# Altium PCB DAC_Sources.PcbDoc (part 1 of 8) (continued)
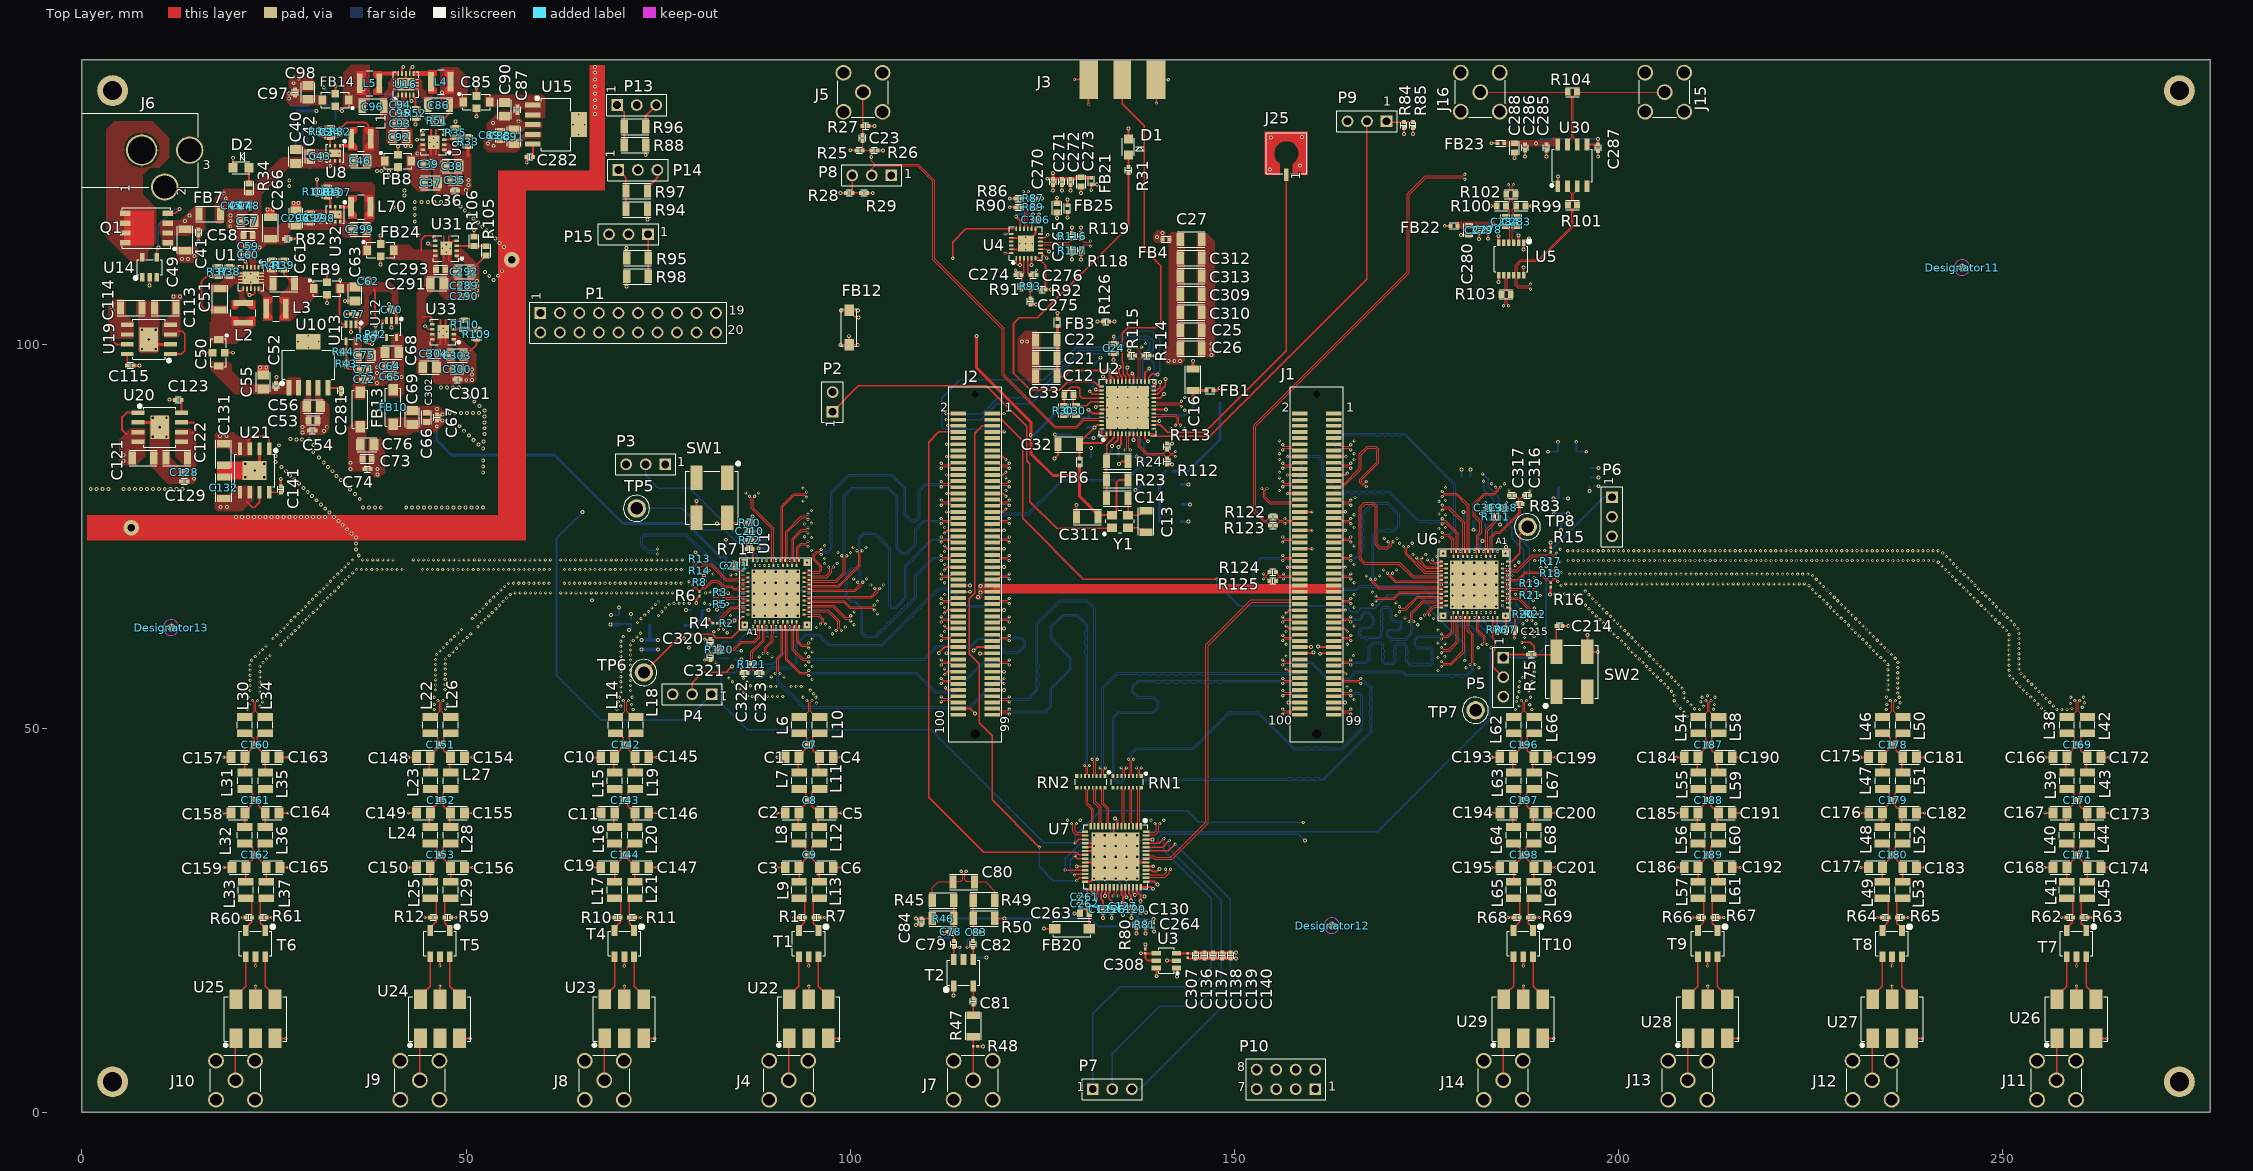
[diagram p0: Top Layer view]
## Components (designator, comment, footprint, x,y, rotation, side; value= is the part's Value field where it differs from the comment)
C1 "600F110JT250XT" C0805 92.447,46.228 r0 top value="11 pF"
C2 "600F120JT250XT" C0805 92.458,38.989 r0 top value="11 pF"
C3 "600F110JT250XT" C0805 92.447,31.877 r0 top value="11 pF"
C4 "600F110JT250XT" C0805 96.892,46.228 r180 top value="11 pF"
C5 "600F120JT250XT" C0805 96.892,38.989 r180 top value="11 pF"
C6 "600F110JT250XT" C0805 96.892,31.877 r180 top value="11 pF"
C7 "GJM1555C1H3R3CB01D" C0402 94.739,47.879 r0 top
C8 "GJM1555C1H3R3CB01D" C0402 94.752,40.64 r0 top
C9 "GJM1555C1H3R3CB01D" C0402 94.739,33.528 r0 top
C10 "600F110JT250XT" C0805 68.447,46.228 r0 top value="11 pF"
C11 "600F120JT250XT" C0805 68.458,38.989 r0 top value="11 pF"
C12 "CL31B103KHFNNNE" C1206 125.51,95.79 r180 top
C13 "C1206C150J5GACTU" C1206 138.51,76.9 r270 top value="15 pF"
C14 "CL31B103KHFNNNE" C1206 134.76,79.93 r180 top
C15 "CL10A475KP8NNNC" C0603 138.99,89.15 r180 bottom
C16 "CL31B103KHFNNNE" C1206 144.62,95.36 r90 top
C17 "CL10A475KP8NNNC" C0603 131.87,90.43 r0 bottom
C18 "CL31B103KHFNNNE" C1206 128.71,89.64 r270 bottom
C19 "600F110JT250XT" C0805 68.447,31.877 r0 top value="11 pF"
C20 "CL10A475KP8NNNC" C0603 133.81,94.89 r270 bottom
C21 "CL31B103KHFNNNE" C1206 125.51,98.16 r180 top
C22 "CL31B103KHFNNNE" C1206 125.52,100.52 r180 top
C23 "C1005X7R1E102K050BA" C0402 101.61,126.83 r90 top
C24 "CL10A475KP8NNNC" C0603 134.3,99.43 r90 top
C25 "CL31B103KHFNNNE" C1206 144.35,101.77 r0 top
C26 "CL31B103KHFNNNE" C1206 144.35,99.4 r0 top
C27 "CL31B103KHFNNNE" C1206 144.35,113.61 r0 top
C28 "CL10A475KP8NNNC" C0603 135.57,85.35 r0 bottom
C29 "CL31B103KHFNNNE" C1206 141.63,79.34 r0 bottom
C30 "CL10A475KP8NNNC" C0603 129.3,91.36 r90 top
C31 "CL10A475KP8NNNC" C0603 130.74,88.4 r270 bottom
C32 "CL31B103KHFNNNE" C1206 128.44,86.92 r180 top
C33 "GCM188R71C274KA37D" C0603 128.46,93.4 r0 top
C34 "C0603C220J5GACTU" C0603 32.3,127.56 r270 top value="22 pF"
C35 "C1608X7R1C105K080AC" C0603 48.56,121.31 r0 top
C36 "C1005X7R1E103K050BB" C0402 48.57,119.97 r180 top
C37 "GRM21BR71A106KE51L" C0805 45.4,121.01 r180 top
C38 "GRM21BR71A106KE51L" C0805 48.18,123.16 r0 top
C39 "C1608X7R1C105K080AC" C0603 45.08,123.44 r180 top
C40 "GRM21BR71A106KE51L" C0805 27.84,124.41 r270 top
C41 "C1005X7R1C104K050BC" C0402 15.21,114.52 r270 top
C42 "C1608X7R1C105K080AC" C0603 29.69,124.42 r270 top
C43 "C1005X7R1C104K050BC" C0402 31.06,124.44 r90 top
C44 "C1005X7R1C104K050BC" C0402 44.67,127.07 r0 bottom
C45 "C1005X5R1C105K050BC" C0402 19.52,118.03 r90 top
C46 "GRM21BR71A106KE51L" C0805 36.24,123.84 r0 top
C47 "C1005X7R1C104K050BC" C0402 20.66,118.03 r270 top
C48 "C1005X7R1E103K050BB" C0402 21.8,118.04 r270 top
C49 "GRM31CR61A476ME15L" C1206 13.41,113.54 r270 top
C50 "NFM31PC276B0J3L" FP-NFM31-0_2-MFG 17.81,98.88 r270 top
C51 "CL31A226MOCLNNC" C1206 17.98,105.83 r90 top
C52 "LMK105BJ225KV-F" C0402 25.295,94.56 r90 top
C53 "C1608X7R1C105K080AC" C0603 30.085,90.08 r0 top
C54 "C1005X7R1E103K050BB" C0402 29.98,88.73 r180 top
C55 "GRM21BR71A106KE51L" C0805 23.61,95.08 r270 top
C56 "GRM21BR71A106KE51L" C0805 30.175,91.86 r0 top
C57 "GRM21BR71A106KE51L" C0805 21.53,115.99 r0 top
C58 "C1608X7R1C105K080AC" C0603 21.63,114.12 r0 top
C59 "C1005X7R1E103K050BB" C0402 21.65,112.77 r180 top
C60 "C1005X7R1C104K050BC" C0402 21.64,111.63 r180 top
C61 "CL31A226MOCLNNC" C1206 26.28,107.8 r180 top
C62 "C1005X7R1E103K050BB" C0402 37.29,108.2 r90 top
C63 "GRM21BR71A106KE51L" C0805 35.56,106.53 r90 top
C64 "C1608X7R1C105K080AC" C0603 40.09,97.09 r0 top
C65 "C1005X7R1E103K050BB" C0402 40.12,95.75 r180 top
C66 "C1608X7R1C105K080AC" C0603 44.85,90.46 r270 top
C67 "C1005X7R1E103K050BB" C0402 46.22,90.45 r90 top
C68 "GRM21BR71A106KE51L" C0805 40.34,98.89 r0 top
C69 "GRM21BR71A106KE51L" C0805 43.01,90.46 r270 top
C70 "LMK105BJ225KV-F" C0402 40.36,104.46 r180 top
C71 "C1608X7R1C105K080AC" C0603 36.76,96.73 r180 top
C72 "C1005X7R1E103K050BB" C0402 36.75,95.4 r0 top
C73 "C1608X7R1C105K080AC" C0603 37.13,85.07 r180 top
C74 "C1005X7R1E103K050BB" C0402 37.17,83.72 r0 top
C75 "GRM21BR71A106KE51L" C0805 36.78,98.53 r180 top
C76 "GRM21BR71A106KE51L" C0805 37.13,86.9 r180 top
C77 "LMK105BJ225KV-F" C0402 35.44,103.91 r180 top
C78 "GRM155R71C104KA88D" C0402 113.09,23.49 r180 top value=0.10μF
C79 "GRM155R71C104KA88D" C0402 113.48,21.91 r270 top value=0.10μF
C80 "C1206C479C5GACTU" C1206 114.78,30 r0 top value="4.7 pF"
C81 "GRM155R71C104KA88D" C0402 116.02,14.46 r270 top value=0.10μF
C82 "GRM155R71C104KA88D" C0402 116.01,21.89 r270 top value=0.10μF
C83 "GRM155R71C104KA88D" C0402 116.41,23.47 r0 top value=0.10μF
C84 "GRM155R71C104KA88D" C0402 109.25,24.82 r270 top value=0.10μF
C85 "NFM31PC276B0J3L" FP-NFM31-0_2-MFG 51.36,131.5 r0 top
C86 "CL31A226MOCLNNC" C1206 46.44,131.07 r180 top
C87 "LMK105BJ225KV-F" C0402 56.71,130.51 r270 top
C88 "C1608X7R1C105K080AC" C0603 54.44,127.14 r270 top
C89 "C1005X7R1E103K050BB" C0402 53.11,127.17 r90 top
C90 "GRM21BR71A106KE51L" C0805 55.03,130.56 r90 top
C91 "GRM21BR71A106KE51L" C0805 56.23,127.01 r270 top
C92 "GRM21BR71A106KE51L" C0805 41.33,126.92 r0 top
C93 "C1608X7R1C105K080AC" C0603 41.41,128.71 r0 top
C94 "C1005X7R1E103K050BB" C0402 41.45,131.18 r180 top
C95 "C1005X7R1C104K050BC" C0402 41.44,130.04 r180 top
C96 "CL31A226MOCLNNC" C1206 37.88,130.9 r0 top
C97 "C1005X7R1E103K050BB" C0402 27.77,132.75 r90 top
C98 "GRM21BR71A106KE51L" C0805 29.44,132.76 r270 top
C99 "C1608X7R1C105K080AC" C0603 32.785,126.055 r0 bottom
C100 "C1005X7R1E103K050BB" C0402 34.86,127.73 r270 bottom
C101 "C1608X7R1C105K080AC" C0603 39.38,124.86 r0 bottom
C102 "C1005X7R1E103K050BB" C0402 39.34,123.45 r180 bottom
C103 "GRM21BR71A106KE51L" C0805 32.43,127.91 r0 bottom
C104 "GRM21BR71A106KE51L" C0805 39.2,126.72 r0 bottom
C105 "LMK105BJ225KV-F" C0402 28.01,130.01 r90 bottom
C106 "C1608X7R1C105K080AC" C0603 28.64,120.98 r0 bottom
C107 "C1005X7R1E103K050BB" C0402 28.64,119.64 r180 bottom
C108 "C1608X7R1C105K080AC" C0603 39.56,119.31 r90 bottom
C109 "C1005X7R1E103K050BB" C0402 40.95,119.25 r270 bottom
C110 "GRM21BR71A106KE51L" C0805 28.7,122.79 r0 bottom
C111 "GRM21BR71A106KE51L" C0805 37.75,119.31 r90 bottom
C112 "LMK105BJ225KV-F" C0402 28.43,128.36 r0 bottom
C113 "CL31B475KPHNNNE" C1206 10.86,104.7 r180 top
C114 "CL31B475KPHNNNE" C1206 6.42,104.7 r0 top
C115 "C1005X7R1E103K050BB" C0402 6.31,97.23 r0 top
C116 "C1005X7R1C104K050BC" C0402 138.46,30.51 r90 bottom
C117 "C1005X7R1C104K050BC" C0402 138.07,28.94 r180 bottom
C118 "C1005X7R1C104K050BC" C0402 133.67,29.21 r90 bottom
C119 "C1005X7R1C104K050BC" C0402 135.29,29.32 r90 bottom
C120 "C1005X7R1C104K050BC" C0402 136.63,26.43 r270 top
C121 "CL31B475KPHNNNE" C1206 7.96,85.2 r0 top
C122 "CL31B475KPHNNNE" C1206 12.35,85.2 r180 top
C123 "C1005X7R1E103K050BB" C0402 12.54,92.75 r180 top
C124 "C1005X7R1C104K050BC" C0402 130.92,29.36 r180 bottom
C125 "C1005X7R1C104K050BC" C0402 132.91,26.43 r270 top
C126 "C1005X7R1C104K050BC" C0402 134.04,26.44 r270 top
C127 "C1005X7R1C104K050BC" C0402 135.49,26.84 r270 top
C128 "C1005X7R1C104K050BC" C0402 13.32,83.3 r180 top
C129 "C1005X7R1C104K050BC" C0402 13.33,82.15 r180 top
C130 "C1005X7R1C104K050BC" C0402 137.78,26.43 r270 top
C131 "CL31B475KPHNNNE" C1206 18.46,85.65 r270 top
C132 "CL31B475KPHNNNE" C1206 18.47,81.3 r90 top
C133 "C1005X7R1C104K050BC" C0402 134.33,37.21 r180 bottom
C134 "C1005X7R1C104K050BC" C0402 130.75,32.51 r90 bottom
C135 "C1005X7R1C104K050BC" C0402 138.44,32.45 r90 bottom
C136 "C1005X7R1C104K050BC" C0402 144.968,20.433 r270 top
C137 "C1005X7R1C104K050BC" C0402 146.11,20.433 r270 top
C138 "C1005X7R1C104K050BC" C0402 147.25,20.433 r270 top
C139 "C1005X7R1C104K050BC" C0402 148.39,20.433 r270 top
C140 "C1005X7R1C104K050BC" C0402 149.52,20.433 r270 top
C141 "C1005X7R1E103K050BB" C0402 25.89,81.1 r90 top
C142 "GJM1555C1H3R3CB01D" C0402 70.844,47.879 r0 top
C143 "GJM1555C1H3R3CB01D" C0402 70.752,40.64 r0 top
C144 "GJM1555C1H3R3CB01D" C0402 70.736,33.528 r0 top
C145 "600F110JT250XT" C0805 72.892,46.228 r180 top value="11 pF"
C146 "600F120JT250XT" C0805 72.892,38.989 r180 top value="11 pF"
C147 "600F110JT250XT" C0805 72.892,31.877 r180 top value="11 pF"
C148 "600F110JT250XT" C0805 44.447,46.228 r0 top value="11 pF"
C149 "600F120JT250XT" C0805 44.458,38.989 r0 top value="11 pF"
C150 "600F110JT250XT" C0805 44.447,31.877 r0 top value="11 pF"
C151 "GJM1555C1H3R3CB01D" C0402 46.733,47.879 r0 top
C152 "GJM1555C1H3R3CB01D" C0402 46.752,40.64 r0 top
C153 "GJM1555C1H3R3CB01D" C0402 46.733,33.528 r0 top
C154 "600F110JT250XT" C0805 48.892,46.228 r180 top value="11 pF"
C155 "600F120JT250XT" C0805 48.892,38.989 r180 top value="11 pF"
C156 "600F110JT250XT" C0805 48.892,31.877 r180 top value="11 pF"
C157 "600F110JT250XT" C0805 20.32,46.228 r0 top value="11 pF"
C158 "600F120JT250XT" C0805 20.331,38.989 r0 top value="11 pF"
C159 "600F110JT250XT" C0805 20.447,31.877 r0 top value="11 pF"
C160 "GJM1555C1H3R3CB01D" C0402 22.615,47.879 r0 top
C161 "GJM1555C1H3R3CB01D" C0402 22.625,40.64 r0 top
C162 "GJM1555C1H3R3CB01D" C0402 22.615,33.528 r0 top
C163 "600F110JT250XT" C0805 24.765,46.228 r180 top value="11 pF"
C164 "600F120JT250XT" C0805 24.765,38.989 r180 top value="11 pF"
C165 "600F110JT250XT" C0805 24.892,31.877 r180 top value="11 pF"
C166 "600F110JT250XT" C0805 257.447,46.228 r0 top value="11 pF"
C167 "600F120JT250XT" C0805 257.458,38.989 r0 top value="11 pF"
C168 "600F110JT250XT" C0805 257.447,31.877 r0 top value="11 pF"
C169 "GJM1555C1H3R3CB01D" C0402 259.739,47.879 r0 top
C170 "GJM1555C1H3R3CB01D" C0402 259.752,40.64 r0 top
C171 "GJM1555C1H3R3CB01D" C0402 259.739,33.528 r0 top
C172 "600F110JT250XT" C0805 261.892,46.228 r180 top value="11 pF"
C173 "600F120JT250XT" C0805 261.892,38.989 r180 top value="11 pF"
C174 "600F110JT250XT" C0805 261.892,31.877 r180 top value="11 pF"
C175 "600F110JT250XT" C0805 233.447,46.228 r0 top value="11 pF"
C176 "600F120JT250XT" C0805 233.458,38.989 r0 top value="11 pF"
C177 "600F110JT250XT" C0805 233.447,31.877 r0 top value="11 pF"
C178 "GJM1555C1H3R3CB01D" C0402 235.739,47.879 r0 top
C179 "GJM1555C1H3R3CB01D" C0402 235.752,40.64 r0 top
C180 "GJM1555C1H3R3CB01D" C0402 235.739,33.528 r0 top
C181 "600F110JT250XT" C0805 237.892,46.228 r180 top value="11 pF"
C182 "600F120JT250XT" C0805 237.892,38.989 r180 top value="11 pF"
C183 "600F110JT250XT" C0805 237.892,31.877 r180 top value="11 pF"
C184 "600F110JT250XT" C0805 209.447,46.228 r0 top value="11 pF"
C185 "600F120JT250XT" C0805 209.458,38.989 r0 top value="11 pF"
C186 "600F110JT250XT" C0805 209.447,31.877 r0 top value="11 pF"
C187 "GJM1555C1H3R3CB01D" C0402 211.739,47.879 r0 top
C188 "GJM1555C1H3R3CB01D" C0402 211.752,40.64 r0 top
C189 "GJM1555C1H3R3CB01D" C0402 211.739,33.528 r0 top
C190 "600F110JT250XT" C0805 213.892,46.228 r180 top value="11 pF"
C191 "600F120JT250XT" C0805 213.892,38.989 r180 top value="11 pF"
C192 "600F110JT250XT" C0805 213.892,31.877 r180 top value="11 pF"
C193 "600F110JT250XT" C0805 185.447,46.228 r0 top value="11 pF"
C194 "600F120JT250XT" C0805 185.458,38.989 r0 top value="11 pF"
C195 "600F110JT250XT" C0805 185.447,31.877 r0 top value="11 pF"
C196 "GJM1555C1H3R3CB01D" C0402 187.739,47.879 r0 top
C197 "GJM1555C1H3R3CB01D" C0402 187.752,40.64 r0 top
C198 "GJM1555C1H3R3CB01D" C0402 187.739,33.528 r0 top
C199 "600F110JT250XT" C0805 189.892,46.228 r180 top value="11 pF"
C200 "600F120JT250XT" C0805 189.892,38.989 r180 top value="11 pF"
C201 "600F110JT250XT" C0805 189.892,31.877 r180 top value="11 pF"
C202 "LMK063BJ224MP-F" C0201 90.99,70.5 r270 bottom
C203 "LMK063BJ224MP-F" C0201 94.03,68.08 r180 bottom
C204 "LMK063BJ224MP-F" C0201 91.01,64.45 r90 bottom
C205 "LMK107BJ106MALTD" C0603 73.9,60.87 r270 bottom
C206 "LMK063BJ224MP-F" C0201 180.55,71.68 r270 bottom
C207 "LMK063BJ224MP-F" C0201 196.48,81.5 r0 bottom
C208 "LMK063BJ224MP-F" C0201 177.21,68.7 r0 bottom
C209 "LMK107BJ106MALTD" C0603 196.46,83.27 r90 bottom
C210 "C1005X7R1E102K050BA" C0402 86.91,75.63 r0 top
C211 "C1005X7R1C104K050BC" C0402 84.89,71.17 r90 top
C212 "C1005X7R1C104K050BC" C0402 84.6,58.96 r0 bottom
C213 "C1005X7R1E102K050BA" C0402 84.59,60.09 r0 bottom
C214 "C1005X7R1E102K050BA" C0402 192.31,63.31 r0 top
C215 "C1005X7R1C104K050BC" C0402 186.47,62.81 r270 top
C216 "C1005X7R1C104K050BC" C0402 182.62,76.91 r90 bottom
C217 "C1005X7R1E102K050BA" C0402 183.73,76.91 r90 bottom
C218 "LMK063BJ104KP-F" C0201 88.14,64.29 r90 bottom
C219 "LMK063BJ224MP-F" C0201 79,61.41 r270 bottom
C220 "LMK063BJ224MP-F" C0201 86.68,70.49 r90 bottom
C221 "LMK063BJ224MP-F" C0201 86.97,68.26 r0 bottom
C222 "LMK063BJ224MP-F" C0201 86.35,69.31 r0 bottom
C223 "LMK063BJ224MP-F" C0201 87,66.83 r0 bottom
C224 "LMK063BJ224MP-F" C0201 85.15,66.32 r180 bottom
C225 "LMK063BJ224MP-F" C0201 86.88,65.4 r0 bottom
C226 "LMK107BJ106MALTD" C0603 80.11,65.36 r180 bottom
C227 "LMK063BJ224MP-F" C0201 89.95,71.31 r270 bottom
C228 "LMK063BJ224MP-F" C0201 92.4,71.1 r270 bottom
C229 "LMK063BJ224MP-F" C0201 90.33,62.14 r270 bottom
C230 "LMK063BJ224MP-F" C0201 93.1,63.28 r0 bottom
C231 "LMK107BJ106MALTD" C0603 89.1,73.91 r90 bottom
C232 "LMK063BJ224MP-F" C0201 85.41,64.81 r270 bottom
C233 "LMK063BJ224MP-F" C0201 85.02,67.23 r180 bottom
C234 "LMK063BJ224MP-F" C0201 85.74,70.53 r90 bottom
C235 "LMK107BJ106MALTD" C0603 83.84,72.9 r90 bottom
C236 "LMK063BJ224MP-F" C0201 89.25,62.14 r270 bottom
C237 "LMK063BJ224MP-F" C0201 71.46,63.85 r90 bottom
C238 "LMK107BJ106MALTD" C0603 69.89,64.11 r90 bottom
C239 "LMK063BJ104KP-F" C0201 183.65,72.35 r180 bottom
C240 "LMK063BJ224MP-F" C0201 192.48,79.89 r0 bottom
C241 "LMK063BJ224MP-F" C0201 184.43,70.79 r180 bottom
C242 "LMK063BJ224MP-F" C0201 184.52,69.39 r180 bottom
C243 "LMK063BJ224MP-F" C0201 185.91,69.9 r0 bottom
C244 "LMK063BJ224MP-F" C0201 184.68,67.96 r180 bottom
C245 "LMK063BJ224MP-F" C0201 184.74,66.6 r180 bottom
C246 "LMK063BJ224MP-F" C0201 185.6,65.4 r0 bottom
C247 "LMK107BJ106MALTD" C0603 185.35,75.13 r90 bottom
C248 "LMK063BJ224MP-F" C0201 179.11,65.17 r90 bottom
C249 "LMK063BJ224MP-F" C0201 181.65,64.95 r90 bottom
C250 "LMK063BJ224MP-F" C0201 179.43,72.72 r270 bottom
C251 "LMK063BJ224MP-F" C0201 181.23,73.28 r90 bottom
C252 "LMK107BJ106MALTD" C0603 180.14,82.74 r180 bottom
C253 "LMK063BJ224MP-F" C0201 185.61,71.37 r90 bottom
C254 "LMK063BJ224MP-F" C0201 186.24,68.7 r0 bottom
C255 "LMK063BJ224MP-F" C0201 186.38,66.38 r0 bottom
C256 "LMK107BJ106MALTD" C0603 192.5,77.35 r90 bottom
C257 "LMK063BJ224MP-F" C0201 181.69,75.38 r270 bottom
C258 "LMK063BJ224MP-F" C0201 182.33,73.53 r180 bottom
C259 "LMK107BJ106MALTD" C0603 180.51,76.96 r180 bottom
C260 "LMK063BJ224MP-F" C0201 136.47,29.19 r90 bottom
C261 "LMK063BJ224MP-F" C0201 130.52,28.1 r180 top
C262 "LMK063BJ224MP-F" C0201 130.52,27.17 r180 top
C263 "LMK107BJ106MALTD" C0603 130.52,25.91 r180 top
C264 "LMK063BJ224MP-F" C0201 139.5,24.37 r270 top
C265 "CGB3B1X5R1A475K055AC" C0603 126.91,117.72 r90 top
C266 "CL31B475KPHNNNE" C1206 24.56,115.13 r90 top
C267 "GRM21BR61A106KE19L" C0805 132.27,85.28 r0 bottom
C268 "GRM21BR61A106KE19L" C0805 131.59,96.46 r270 bottom
C269 "GRM155R61A105KE15D" C0402 133.41,89 r0 bottom value=1uF
C270 "C1005X7R1E103K050BB" C0402 126.405,121.12 r270 top
C271 "C1005X7R1E103K050BB" C0402 127.545,121.12 r270 top
C272 "C1005X7R1E103K050BB" C0402 128.685,121.12 r270 top
C273 "CGB3B1X5R1A475K055AC" C0603 130.055,121.13 r270 top
C274 "C1005X7R1E103K050BB" C0402 121.9,109 r0 top
C275 "C1005X7R1E103K050BB" C0402 123.44,105.55 r90 top
C276 "C1005X7R1E103K050BB" C0402 123.84,109 r180 top
C277 "C1005X7R1E103K050BB" C0402 187.36,113.18 r0 bottom
C278 "C1005X7R1E103K050BB" C0402 183,114.87 r270 top
C279 "C1005X7R1E103K050BB" C0402 181.85,114.85 r270 top
C280 "CGB3B1X5R1A475K055AC" C0603 180.45,114.82 r270 top
C281 "C1005X7R1E103K050BB" C0402 33.7,93.91 r270 top
C282 "C1005X7R1E103K050BB" C0402 58.3,124.37 r180 top
C283 "CC0603KRX7R9BB103" C0603 186.78,115.94 r270 top value="10 nF"
C284 "CC0603KRX7R9BB103" C0603 185.26,115.94 r270 top value="10 nF"
C285 "C1005X7R1E103K050BB" C0402 190.61,125.58 r270 top
C286 "C1005X7R1E103K050BB" C0402 187.82,125.57 r270 top
C287 "C1005X7R1E103K050BB" C0402 197.35,125.56 r270 top
C288 "CGB3B1X5R1A475K055AC" C0603 186.47,125.55 r270 top
C289 "C1608X7R1C105K080AC" C0603 49.78,107.61 r0 top
C290 "C1005X7R1E103K050BB" C0402 49.78,106.25 r180 top
C291 "GRM21BR71A106KE51L" C0805 46.24,107.85 r180 top
C292 "GRM21BR71A106KE51L" C0805 49.8,109.42 r0 top
C293 "C1608X7R1C105K080AC" C0603 46.7,109.68 r180 top
C294 "C1005X7R1C104K050BC" C0402 46.2,113.55 r0 bottom
C295 "C0603C220J5GACTU" C0603 31.91,119.8 r270 top value="22 pF"
C296 "GRM21BR71A106KE51L" C0805 27.86,116.41 r270 top
C297 "C1608X7R1C105K080AC" C0603 29.7,116.42 r270 top
C298 "C1005X7R1C104K050BC" C0402 31.08,116.35 r90 top
C299 "GRM21BR71A106KE51L" C0805 36.19,114.95 r0 top
C300 "C1608X7R1C105K080AC" C0603 48.85,96.72 r0 top
C301 "C1005X7R1E103K050BB" C0402 48.88,95.37 r180 top
C302 "GRM21BR71A106KE51L" C0805 45.27,96.95 r180 top
C303 "GRM21BR71A106KE51L" C0805 48.86,98.51 r0 top
C304 "C1608X7R1C105K080AC" C0603 45.77,98.76 r180 top
C305 "C1005X7R1C104K050BC" C0402 45.85,102.3 r0 bottom
C306 "C1005X7R1E103K050BB" C0402 124.17,116.17 r0 top
C307 "LMK063BJ104KP-F" C0201 143.91,20.43 r270 top
C308 "LMK063BJ104KP-F" C0201 138.43,21 r90 top
C309 "CL31B103KHFNNNE" C1206 144.35,106.49 r0 top
C310 "CL31B103KHFNNNE" C1206 144.35,104.13 r0 top
C311 "CL31B103KHFNNNE" C1206 130.85,77.5 r180 top
C312 "CL31B103KHFNNNE" C1206 144.35,111.23 r0 top
C313 "CL31B103KHFNNNE" C1206 144.35,108.86 r0 top
C314 "CL31B103KHFNNNE" C1206 141.63,76.94 r0 bottom
C315 "CL31B103KHFNNNE" C1206 141.63,81.74 r0 bottom
C316 "C1005X7R1E103K050BB" C0402 188.08,80.32 r0 top
C317 "C1005X7R1E103K050BB" C0402 186.14,80.32 r180 top
C318 "C1005X7R1E103K050BB" C0402 184.995,78.68 r0 top
C319 "C1005X7R1E103K050BB" C0402 183.065,78.68 r180 top
C320 "C1005X7R1E103K050BB" C0402 81.79,61.21 r90 top
C321 "C1005X7R1E103K050BB" C0402 81.79,59.27 r270 top
C322 "C1005X7R1E103K050BB" C0402 86.235,57.17 r180 top
C323 "C1005X7R1E103K050BB" C0402 88.165,57.17 r0 top
D1 "LTST-C170GKT" FP-LTST-C170GKT-MFG 136.21,125.66 r270 top
D2 "LTST-C170TBKT" FP-LTST-C170TBKT-MFG 20.71,122.96 r0 top
Designator11 "Comment" FID40C80 244.73,109.96 r0 top
Designator12 "Comment" FID40C80 162.71,24.32 r0 top
Designator13 "Comment" FID40C80 11.65,63.11 r0 top
Designator14 "Comment" FID40C80 13.71,43.12 r180 bottom
Designator15 "Comment" FID40C80 217.14,81.72 r180 bottom
Designator16 "Comment" FID40C80 266.66,18.97 r180 bottom
FB1 "BLM15PD121SN1D" BLM15 146.84,93.95 r180 top
FB2 "BLM15PD121SN1D" BLM15 126.6,91.35 r90 bottom
FB3 "BLM15PD121SN1D" BLM15 126.97,102.83 r270 top
FB4 "BLM15PD121SN1D" BLM15 141.1,113.63 r0 top
FB5 "BLM15PD121SN1D" BLM15 141.57,83.48 r180 bottom
FB6 "BLM15PD121SN1D" BLM15 129.84,84.65 r90 top
FB7 "FBMJ3216HM600-T" BEADC3216X130N 16.66,116.93 r0 top
FB8 "NFM31PC276B0J3L" FP-NFM31-0_2-MFG 41.15,123.84 r0 top
FB9 "NFM31PC276B0J3L" FP-NFM31-0_2-MFG 31.91,107.24 r0 top
FB10 "BLM41PG102SN1L" BLM41 40.52,91.8 r270 top
FB11 "BLM18HE152SN1D" BLM18 80.23,62.99 r270 bottom
FB12 "BLM41PG102SN1L" BLM41 99.87,102.16 r270 top
FB13 "BLM41PG102SN1L" BLM41 36.23,91.51 r270 top
FB14 "NFM31PC276B0J3L" FP-NFM31-0_2-MFG 33,131.77 r180 top
FB15 "BLM41PG102SN1L" BLM41 38.52,130.41 r0 bottom
FB16 "BLM41PG102SN1L" BLM41 33.31,120.32 r0 bottom
FB17 "BLM41PG102SN1L" BLM41 76.16,63.39 r180 bottom
FB18 "BLM18HE152SN1D" BLM41 192.11,83.74 r270 bottom
FB19 "BLM41PG102SN1L" BLM41 194.5,83.74 r270 bottom
FB20 "BLM41PG102SN1L" BLM41 128.86,23.91 r0 top
FB21 "BLM15PD121SN1D" BLM15 131.375,121.21 r90 top
FB22 "BLM15PD121SN1D" BLM15 178.59,115.39 r0 top
FB23 "BLM15PD121SN1D" BLM15 184.68,126.15 r0 top
FB24 "NFM31PC276B0J3L" FP-NFM31-0_2-MFG 38.89,112.23 r0 top
FB25 "BLM15PD121SN1D" BLM15 128.27,117.63 r270 top
J1 "61083-104400LF" AMPHENOL_61083-104400LF 160.725,71.367 r270 top
J2 "61083-104400LF" AMPHENOL_61083-104400LF 116.275,71.367 r270 top
J3 "142-0701-801" FP-142-0701-801-MFG 135.418,134.61 r0 top
J4 "731000114" MOLX-731000114_V 92,4.191 r180 top
J5 "731000114" MOLX-731000114_V 101.67,132.774 r0 top
J6 "RAPC722X" SWITCH-RAPC712X-3_V 7.536,125.25 r90 top
J7 "731000114" MOLX-731000114_V 116,4.191 r180 top
J8 "731000114" MOLX-731000114_V 68,4.191 r180 top
J9 "731000114" MOLX-731000114_V 44,4.191 r180 top
J10 "731000114" MOLX-731000114_V 20,4.191 r180 top
J11 "731000114" MOLX-731000114_V 257,4.191 r180 top
J12 "731000114" MOLX-731000114_V 233,4.191 r180 top
J13 "731000114" MOLX-731000114_V 209,4.191 r180 top
J14 "731000114" MOLX-731000114_V 185,4.191 r180 top
J15 "731000114" MOLX-731000114_V 206,132.797 r0 top
J16 "731000114" MOLX-731000114_V 182,132.797 r0 top
J25 "85305-0232" FP-85305-0232-MFG 156.77,124.83 r0 top
L1 "LPS3015-222MR" lps3015 36.33,126.72 r0 top
L2 "LPS3015-222MR" lps3015 21.03,104.06 r270 top
L3 "LPS3015-222MR" lps3015 25.27,104.61 r0 top
L4 "LPS3015-222MR" lps3015 46.73,134.12 r0 top
L5 "LPS3015-222MR" lps3015 37.44,133.97 r180 top
L6 "0805HQ-16NXGLC" 0805HP 93.367,50.419 r180 top value=16nH
L7 "0805HP-33NXGRC" 0805HP 93.361,43.18 r180 top value=33nH
L8 "0805HP-33NXGRC" 0805HP 93.336,36.068 r180 top value=33nH
L9 "0805HQ-16NXGLC" 0805HP 93.336,28.956 r180 top value=16nH
L10 "0805HQ-16NXGLC" 0805HP 96.034,50.419 r0 top value=16nH
L11 "0805HP-33NXGRC" 0805HP 96.028,43.18 r0 top value=33nH
L12 "0805HP-33NXGRC" 0805HP 96.003,36.068 r0 top value=33nH
L13 "0805HQ-16NXGLC" 0805HP 96.003,28.956 r0 top value=16nH
L14 "0805HQ-16NXGLC" 0805HP 69.463,50.419 r180 top value=16nH
L15 "0805HP-33NXGRC" 0805HP 69.361,43.18 r180 top value=33nH
L16 "0805HP-33NXGRC" 0805HP 69.336,36.068 r180 top value=33nH
L17 "0805HQ-16NXGLC" 0805HP 69.336,28.956 r180 top value=16nH
L18 "0805HQ-16NXGLC" 0805HP 72.13,50.419 r0 top value=16nH
L19 "0805HP-33NXGRC" 0805HP 72.028,43.18 r0 top value=33nH
L20 "0805HP-33NXGRC" 0805HP 72.003,36.068 r0 top value=33nH
L21 "0805HQ-16NXGLC" 0805HP 72.003,28.956 r0 top value=16nH
L22 "0805HQ-16NXGLC" 0805HP 45.336,50.419 r180 top value=16nH
L23 "0805HP-33NXGRC" 0805HP 45.361,43.18 r180 top value=33nH
L24 "0805HP-33NXGRC" 0805HP 45.336,36.068 r180 top value=33nH
L25 "0805HQ-16NXGLC" 0805HP 45.336,28.956 r180 top value=16nH
L26 "0805HQ-16NXGLC" 0805HP 48.003,50.419 r0 top value=16nH
L27 "0805HP-33NXGRC" 0805HP 48.028,43.18 r0 top value=33nH
L28 "0805HP-33NXGRC" 0805HP 48.003,36.068 r0 top value=33nH
L29 "0805HQ-16NXGLC" 0805HP 48.003,28.956 r0 top value=16nH
L30 "0805HQ-16NXGLC" 0805HP 21.209,50.419 r180 top value=16nH
L31 "0805HP-33NXGRC" 0805HP 21.234,43.18 r180 top value=33nH
L32 "0805HP-33NXGRC" 0805HP 21.209,36.068 r180 top value=33nH
L33 "0805HQ-16NXGLC" 0805HP 21.336,28.956 r180 top value=16nH
L34 "0805HQ-16NXGLC" 0805HP 23.876,50.419 r0 top value=16nH
L35 "0805HP-33NXGRC" 0805HP 23.901,43.18 r0 top value=33nH
L36 "0805HP-33NXGRC" 0805HP 23.876,36.068 r0 top value=33nH
L37 "0805HQ-16NXGLC" 0805HP 24.003,28.956 r0 top value=16nH
L38 "0805HQ-16NXGLC" 0805HP 258.367,50.419 r180 top value=16nH
L39 "0805HP-33NXGRC" 0805HP 258.361,43.18 r180 top value=33nH
L40 "0805HP-33NXGRC" 0805HP 258.336,36.068 r180 top value=33nH
L41 "0805HQ-16NXGLC" 0805HP 258.336,28.956 r180 top value=16nH
L42 "0805HQ-16NXGLC" 0805HP 261.034,50.419 r0 top value=16nH
L43 "0805HP-33NXGRC" 0805HP 261.028,43.18 r0 top value=33nH
L44 "0805HP-33NXGRC" 0805HP 261.003,36.068 r0 top value=33nH
L45 "0805HQ-16NXGLC" 0805HP 261.003,28.956 r0 top value=16nH
L46 "0805HQ-16NXGLC" 0805HP 234.367,50.419 r180 top value=16nH
L47 "0805HP-33NXGRC" 0805HP 234.361,43.18 r180 top value=33nH
L48 "0805HP-33NXGRC" 0805HP 234.336,36.068 r180 top value=33nH
L49 "0805HQ-16NXGLC" 0805HP 234.336,28.956 r180 top value=16nH
L50 "0805HQ-16NXGLC" 0805HP 237.034,50.419 r0 top value=16nH
L51 "0805HP-33NXGRC" 0805HP 237.028,43.18 r0 top value=33nH
L52 "0805HP-33NXGRC" 0805HP 237.003,36.068 r0 top value=33nH
L53 "0805HQ-16NXGLC" 0805HP 237.003,28.956 r0 top value=16nH
L54 "0805HQ-16NXGLC" 0805HP 210.367,50.419 r180 top value=16nH
L55 "0805HP-33NXGRC" 0805HP 210.361,43.18 r180 top value=33nH
L56 "0805HP-33NXGRC" 0805HP 210.336,36.068 r180 top value=33nH
L57 "0805HQ-16NXGLC" 0805HP 210.336,28.956 r180 top value=16nH
L58 "0805HQ-16NXGLC" 0805HP 213.034,50.419 r0 top value=16nH
L59 "0805HP-33NXGRC" 0805HP 213.028,43.18 r0 top value=33nH
L60 "0805HP-33NXGRC" 0805HP 213.003,36.068 r0 top value=33nH
L61 "0805HQ-16NXGLC" 0805HP 213.003,28.956 r0 top value=16nH
L62 "0805HQ-16NXGLC" 0805HP 186.367,50.419 r180 top value=16nH
L63 "0805HP-33NXGRC" 0805HP 186.361,43.18 r180 top value=33nH
L64 "0805HP-33NXGRC" 0805HP 186.336,36.068 r180 top value=33nH
L65 "0805HQ-16NXGLC" 0805HP 186.336,28.956 r180 top value=16nH
L66 "0805HQ-16NXGLC" 0805HP 189.034,50.419 r0 top value=16nH
L67 "0805HP-33NXGRC" 0805HP 189.028,43.18 r0 top value=33nH
L68 "0805HP-33NXGRC" 0805HP 189.003,36.068 r0 top value=33nH
L69 "0805HQ-16NXGLC" 0805HP 189.003,28.956 r0 top value=16nH
L70 "LPS3015-222MR" lps3015 36.31,117.85 r0 top
P1 "Header 10X2" HEADER_10X2 59.68,104.05 r0 top
P2 "Header 2" HEADER_2X1 97.71,91.21 r90 top
P3 "Header 3" HEADER_3X1 75.92,84.35 r180 top
P4 "Header 3" HEADER_3X1 81.97,54.43 r180 top
P5 "Header 3" HEADER_3X1 185.01,59.2 r270 top
P6 "Header 3" HEADER_3X1 199.15,80.08 r270 top
P7 "Header 3" HEADER_3X1 131.58,3.04 r0 top
P8 "Header 3" HEADER_3X1 105.35,121.96 r180 top
P9 "Header 3" HEADER_3X1 169.8,129.01 r180 top
P10 "Header 4X2" HEADER_4X2 160.52,3.04 r180 top
P13 "Header 3" HEADER_3X1 69.67,131.11 r0 top
P14 "Header 3" HEADER_3X1 69.83,122.67 r0 top
P15 "Header 3" HEADER_3X1 73.69,114.29 r180 top
Q1 "CSD18532Q5BT" FP-DNK0008A-MFG 8.39,115.11 r0 top
R1 "RMCF0402FT100R" R0402 93.717,25.4 r0 top
R2 "CRCW020149R9FKED" R0201 83.93,63.68 r180 top
R3 "CRCW020149R9FKED" R0201 83.06,67.678 r270 top
R4 "CRCW020149R9FKED" R0201 82.41,63.68 r0 top
R5 "CRCW020149R9FKED" R0201 83.06,66.158 r90 top
R6 "CRCW020149R9FKED" R0201 80.39,67.49 r90 top
R7 "RMCF0402FT100R" R0402 95.622,25.4 r0 top
R8 "CRCW020149R9FKED" R0201 80.39,69.01 r270 top
R9 "ERJ2RKF1002X" R0402 132.45,29.45 r90 bottom
R10 "RMCF0402FT100R" R0402 69.717,25.4 r0 top
R11 "RMCF0402FT100R" R0402 71.622,25.4 r0 top
R12 "RMCF0402FT100R" R0402 45.717,25.4 r0 top
R13 "CRCW020149R9FKED" R0201 80.39,72.05 r270 top
R14 "CRCW020149R9FKED" R0201 80.39,70.53 r90 top
R15 "CRCW020149R9FKED" R0201 191.17,73.232 r270 top
R16 "CRCW020149R9FKED" R0201 191.17,68.672 r90 top
R17 "CRCW020149R9FKED" R0201 191.17,71.712 r90 top
R18 "CRCW020149R9FKED" R0201 191.17,70.192 r270 top
R19 "CRCW020149R9FKED" R0201 188.5,68.86 r270 top
R20 "CRCW020149R9FKED" R0201 187.63,64.862 r0 top
R21 "CRCW020149R9FKED" R0201 188.5,67.34 r90 top
R22 "CRCW020149R9FKED" R0201 189.15,64.862 r180 top
R23 "RNCP1206FTD10K0" R1206 134.75,82.32 r0 top
R24 "RNCP1206FTD10K0" R1206 134.77,84.71 r180 top
R25 "ERJ-2RKF82R5X" R0402 101.2,125.23 r180 top
R26 "ERJ-2RKF1300X" R0402 103.15,125.21 r180 top
R27 "ERJ-2RKF49R9X" R0402 102.01,128.39 r180 top
R28 "ERJ-2RKF82R5X" R0402 99.87,119.69 r180 top
R29 "ERJ-2RKF1300X" R0402 101.8,119.69 r180 top
R30 "RC0603FR-071KL" R0603 127.75,91.36 r270 top
R31 "CRCW0402301RFKED" R0402 136.22,122.65 r90 top
R32 "750K 5% 0402(1005)" R0402 33.65,127.66 r90 top value="750000.00 Ohm"
R33 "ERJ-3EKF3092V" R0603 50.27,126.34 r270 top
R34 "ERJ3EKF1002V" R0603 21.78,120.31 r270 top
R35 "ERJ3EKF1002V" R0603 48.65,127.54 r270 top
R36 "RC0402FR-07150KL" R0402 30.97,127.66 r270 top
R37 "CRCW0603750KFKEA" R0603 17.72,109.43 r270 top
R38 "RC0603FR-07150KL" R0603 19.24,109.43 r90 top
R39 "CRCW0603191KFKEA" R0603 26.3,110.28 r270 top
R40 "ERJ-2RKF1743X" R0402 37.08,100.76 r270 top
R41 "ERJ-3EKF1823V" R0603 24.77,110.29 r90 top
R42 "ERJ2RKF3303X" R0402 38.23,101.26 r270 top
R43 "ERJ-2RKF1743X" R0402 34.42,97.46 r270 top
R44 "ERJ2RKF3303X" R0402 34.04,99.02 r0 top
R45 "RMCF1206ZT0R00" R1206 112.09,27.59 r180 top
R46 "RMCF1206JT33R0" R1206 112.09,25.23 r0 top
R47 "RMCF1206ZT0R00" R1206 116.02,11.27 r90 top
R48 "CRCW020149R9FKED" R0201 116.3,8.6 r180 top
R49 "RMCF1206ZT0R00" R1206 117.43,27.62 r0 top
R50 "RMCF1206JT33R0" R1206 117.43,25.26 r180 top
R51 "CRCW0603750KFKEA" R0603 46.28,129.09 r0 top
R52 "RC0603FR-07150KL" R0603 43.44,130.02 r90 top
R53 "CRCW0603191KFKEA" R0603 38.2,132.57 r180 bottom
R54 "ERJ-2RKF1743X" R0402 33.03,131 r270 bottom
R55 "ERJ-3EKF1823V" R0603 40.33,133.19 r270 bottom
R56 "ERJ2RKF3303X" R0402 32.63,132.56 r0 bottom
R57 "ERJ-2RKF1743X" R0402 31.04,123.68 r270 bottom
R58 "ERJ2RKF3303X" R0402 30.75,125.69 r270 bottom
R59 "RMCF0402FT100R" R0402 47.622,25.4 r0 top
R60 "RMCF0402FT100R" R0402 21.717,25.4 r0 top
R61 "RMCF0402FT100R" R0402 23.622,25.4 r0 top
R62 "RMCF0402FT100R" R0402 258.717,25.4 r0 top
R63 "RMCF0402FT100R" R0402 260.622,25.4 r0 top
R64 "RMCF0402FT100R" R0402 234.717,25.4 r0 top
R65 "RMCF0402FT100R" R0402 236.622,25.4 r0 top
R66 "RMCF0402FT100R" R0402 210.717,25.4 r0 top
R67 "RMCF0402FT100R" R0402 212.622,25.4 r0 top
R68 "RMCF0402FT100R" R0402 186.717,25.4 r0 top
R69 "RMCF0402FT100R" R0402 188.622,25.4 r0 top
R70 "ERJ-2RKF1001X" R0402 86.91,76.77 r0 top
R71 "ERJ-2RKF1271X" R0402 86.91,73.34 r180 top
R72 "CRCW040210R0FKED" R0402 86.91,74.5 r0 top
R73 "ERJ-2RKF1001X" R0402 83.02,59.53 r270 bottom
R74 "ERJ2GE0R00X" R0402 84.58,61.24 r180 bottom
R75 "ERJ-2RKF1001X" R0402 188.64,59.6 r180 top
R76 "ERJ-2RKF1271X" R0402 184.2,62.81 r270 top
R77 "CRCW040210R0FKED" R0402 185.34,62.81 r90 top
R78 "ERJ-2RKF1001X" R0402 183.13,75.37 r180 bottom
R79 "ERJ2GE0R00X" R0402 183.52,73.82 r90 bottom
R80 "ERJ2RKF1002X" R0402 137.26,24.43 r270 top
R81 "ERJ2RKF1002X" R0402 138.41,24.43 r90 top
R82 "ERJ2GE0R00X" R0402 26.74,113.7 r0 top
R83 "CRCW0402100RFKED" R0402 187.11,79.18 r0 top
R84 "ERJ-2RKF82R5X" R0402 172.06,128.5 r270 top
R85 "ERJ-2RKF1300X" R0402 173.23,128.5 r90 top
R86 "ERJ-2RKF1300X" R0402 121.9,118.96 r180 top
R87 "ERJ-2RKF1300X" R0402 123.84,118.96 r0 top
R88 "RC1206FR-0760K4L" R1206 71.99,125.9 r0 top
R89 "ERJ-2RKF1300X" R0402 123.84,117.81 r180 top
R90 "ERJ-2RKF1300X" R0402 121.9,117.81 r0 top
R91 "ERJ-2RKF49R9X" R0402 122.3,107.5 r90 top
R92 "ERJ2GE0R00X" R0402 125.02,107.11 r0 top
R93 "ERJ-2RKF49R9X" R0402 123.44,107.5 r270 top
R94 "RC1206FR-0760K4L" R1206 72.22,117.55 r0 top
R95 "RC1206FR-0760K4L" R1206 72.31,111.19 r180 top
R96 "RC1206FR-0760K4L" R1206 71.99,128.29 r180 top
R97 "RC1206FR-0760K4L" R1206 72.22,119.93 r180 top
R98 "RC1206FR-0760K4L" R1206 72.31,108.79 r0 top
R99 "CRCW060349R9FKEA" R0603 187.3,117.99 r180 top
R100 "CRCW060349R9FKEA" R0603 184.74,117.99 r0 top
R101 "CRCW0603100RJNEA" R0603 194.01,118.11 r0 top
R102 "CRCW0603100RJNEA" R0603 186,119.5 r0 top
R103 "CRCW0603100RJNEA" R0603 185.37,106.48 r180 top
R104 "CRCW0603100RJNEA" R0603 194,132.797 r0 top
R105 "ERJ-3EKF3092V" R0603 52.62,112.15 r270 top
R106 "ERJ3EKF1002V" R0603 51.03,113.36 r270 top
R107 "750K 5% 0402(1005)" R0402 33.25,119.74 r90 top value="750000.00 Ohm"
R108 "RC0402FR-07150KL" R0402 30.59,119.82 r270 top
R109 "ERJ-3EKF3092V" R0603 51.39,101.29 r270 top
R110 "ERJ3EKF1002V" R0603 49.82,102.5 r270 top
R111 "CRCW0402100RFKED" R0402 184.03,77.53 r0 top
R112 "ERJ-2RKF1500X" R0402 141.23,84.73 r90 top
R113 "ERJ-2RKF1500X" R0402 141.23,86.66 r270 top
R114 "ERJ-2RKF1500X" R0402 138.585,98.51 r180 top
R115 "ERJ-2RKF1500X" R0402 136.655,98.51 r0 top
R116 "ERJ-2RKF1300X" R0402 128.88,114.055 r90 top
R117 "ERJ-2RKF1300X" R0402 128.88,112.125 r270 top
R118 "ERJ-2RKF1300X" R0402 130.04,112.125 r90 top
R119 "ERJ-2RKF1300X" R0402 130.04,114.055 r270 top
R120 "CRCW0402100RFKED" R0402 82.94,60.24 r90 top
R121 "CRCW0402100RFKED" R0402 87.2,58.32 r180 top
R122 "ERJ2GE0R00X" R0402 155.038,77.537 r180 top
R123 "ERJ2GE0R00X" R0402 155.038,76.397 r180 top
R124 "ERJ2GE0R00X" R0402 155,70.337 r180 top
R125 "ERJ2GE0R00X" R0402 155,69.197 r180 top
R126 "ERJ2GE0R00X" R0402 133.28,102.93 r180 top
RN1 "EXB-2HV470JV" EXB-2HV470JV 136.05,43.02 r180 top
RN2 "EXB-2HV470JV" EXB-2HV470JV 131.322,43.02 r180 top
SW1 "KT11P3JM34LFS" FP-KT11P3JM34LFS-MFG 82,79.99 r270 top
SW2 "KT11P3JM34LFS" FP-KT11P3JM34LFS-MFG 193.94,57.368 r90 top
T1 "ETC1-1-13TR" FP-ETC1-1-13TR-MFG 94.606,21.971 r180 top
T2 "ETC1-1-13TR" FP-ETC1-1-13TR-MFG 114.74,18.185 r0 top
T3 "ETC1-1-13TR" FP-ETC1-1-13TR-MFG 114.69,21.43 r270 bottom
T4 "ETC1-1-13TR" FP-ETC1-1-13TR-MFG 70.606,21.971 r180 top
T5 "ETC1-1-13TR" FP-ETC1-1-13TR-MFG 46.606,21.971 r180 top
T6 "ETC1-1-13TR" FP-ETC1-1-13TR-MFG 22.606,21.971 r180 top
T7 "ETC1-1-13TR" FP-ETC1-1-13TR-MFG 259.606,21.971 r180 top
T8 "ETC1-1-13TR" FP-ETC1-1-13TR-MFG 235.606,21.971 r180 top
T9 "ETC1-1-13TR" FP-ETC1-1-13TR-MFG 211.606,21.971 r180 top
T10 "ETC1-1-13TR" FP-ETC1-1-13TR-MFG 187.606,21.971 r180 top
TP5 "5010" 5010 72.22,78.62 r0 top
TP6 "5010" 5010 73.16,57.26 r0 top
TP7 "5010" 5010 181.4,52.34 r0 top
TP8 "5010" 5010 188.17,76.23 r0 top
U1 "DAC3484IRKDT" TI-RKD88-6300X6300TP_V 90.33,67.518 r180 top
U2 "CDCE62005RGZT" FP-RGZ0048D-IPC_A 136.12,91.73 r90 top
U3 "ADR130AUJZ-REEL7" 6-TSOT 141.16,19.76 r90 top
U4 "CDCP1803RGET" QFN25 122.87,113.09 r90 top
U5 "LTC6957HMS-2#PBF" 12_MSOP 186.024,111.078 r180 top
U6 "DAC3484IRKDT" TI-RKD88-6300X6300TP_V 181.23,68.7 r0 top
U7 "AD6641" QFN56 134.55,33.286 r270 top
U8 "TPS62290DRVR" FP-DRV0006A-IPC_A 32.96,124.83 r270 top
U9 "TPS7A8001DRBR" DRB0008A_V 45.775,126.277 r180 top
U10 "TPS79633QDCQRQ1" DCQ0006A 29.485,97.32 r90 top
U11 "TPS62420DRCR" DRC0010G 22.01,108.62 r270 top
U12 "TPS71701DCKR" DCK 40.3,101.97 r270 top
U13 "TPS71701DCKR" DCK 35.04,101.47 r270 top
U14 "TPS2400DBVT" DBV0005A 8.82,110.03 r90 top
U15 "TPS79633QDCQRQ1" DCQ0006A 61.7,128.58 r0 top
U16 "TPS62420DRCR" DRC0010G 42.185,133.82 r90 top
U17 "TPS71701DCKR" DCK 30.51,130.36 r0 bottom
U18 "TPS71701DCKR" DCK 28.71,125.82 r270 bottom
U19 "ADP1706ARDZ-3.3-R7" ADI-RD-8-2_M 8.73,100.61 r90 top
U20 "ADP1706ARDZ-1.8-R7" ADI-RD-8-2_M 10.14,89.18 r270 top
U21 "ADP1706ARDZ-1.8-R7" ADI-RD-8-2_M 22.49,83.55 r180 top
U22 "ADT4-1WT" CD542 94.606,12.192 r0 top
U23 "ADT4-1WT" CD542 70.606,12.192 r0 top
U24 "ADT4-1WT" CD542 46.606,12.192 r0 top
U25 "ADT4-1WT" CD542 22.606,12.192 r0 top
U26 "ADT4-1WT" CD542 259.606,12.192 r0 top
U27 "ADT4-1WT" CD542 235.606,12.192 r0 top
U28 "ADT4-1WT" CD542 211.606,12.192 r0 top
U29 "ADT4-1WT" CD542 187.606,12.192 r0 top
U30 "DS90LV001TMX/NOPB" SOIC_8 194,123.25 r90 top
U31 "TPS7A8001DRBR" DRB0008A_V 47.42,112.465 r180 top
U32 "TPS62290DRVR" FP-DRV0006A-IPC_A 32.98,116.88 r270 top
U33 "TPS7A8001DRBR" DRB0008A_V 47.02,101.59 r180 top
Y1 "ASE-10.000MHZ-LC-T" ASE 135.12,76.93 r0 top

## Footprints (in the part's own frame and the unit in brackets; to place one, negate y for a bottom-side part, rotate by r counter-clockwise, add the part's x,y. Pads: shape width x height; smd on the part's side, far side on the other; paste and mask are expansions set on the pad)
6-TSOT [mm]
  rect 0.62x1.22 smd mask+0.051: 1(-0.95,-1.31) 2(0,-1.31) 3(0.95,-1.31) 4(0.95,1.31) 5(0,1.31) 6(-0.95,1.31)
  silkscreen extent -1.7,-1.5 1.66,1.01, body extent -1.5,-1.4 1.5,1.4, height 0.86